# KiCad board hakea-epaper.kicad_pcb (continued)
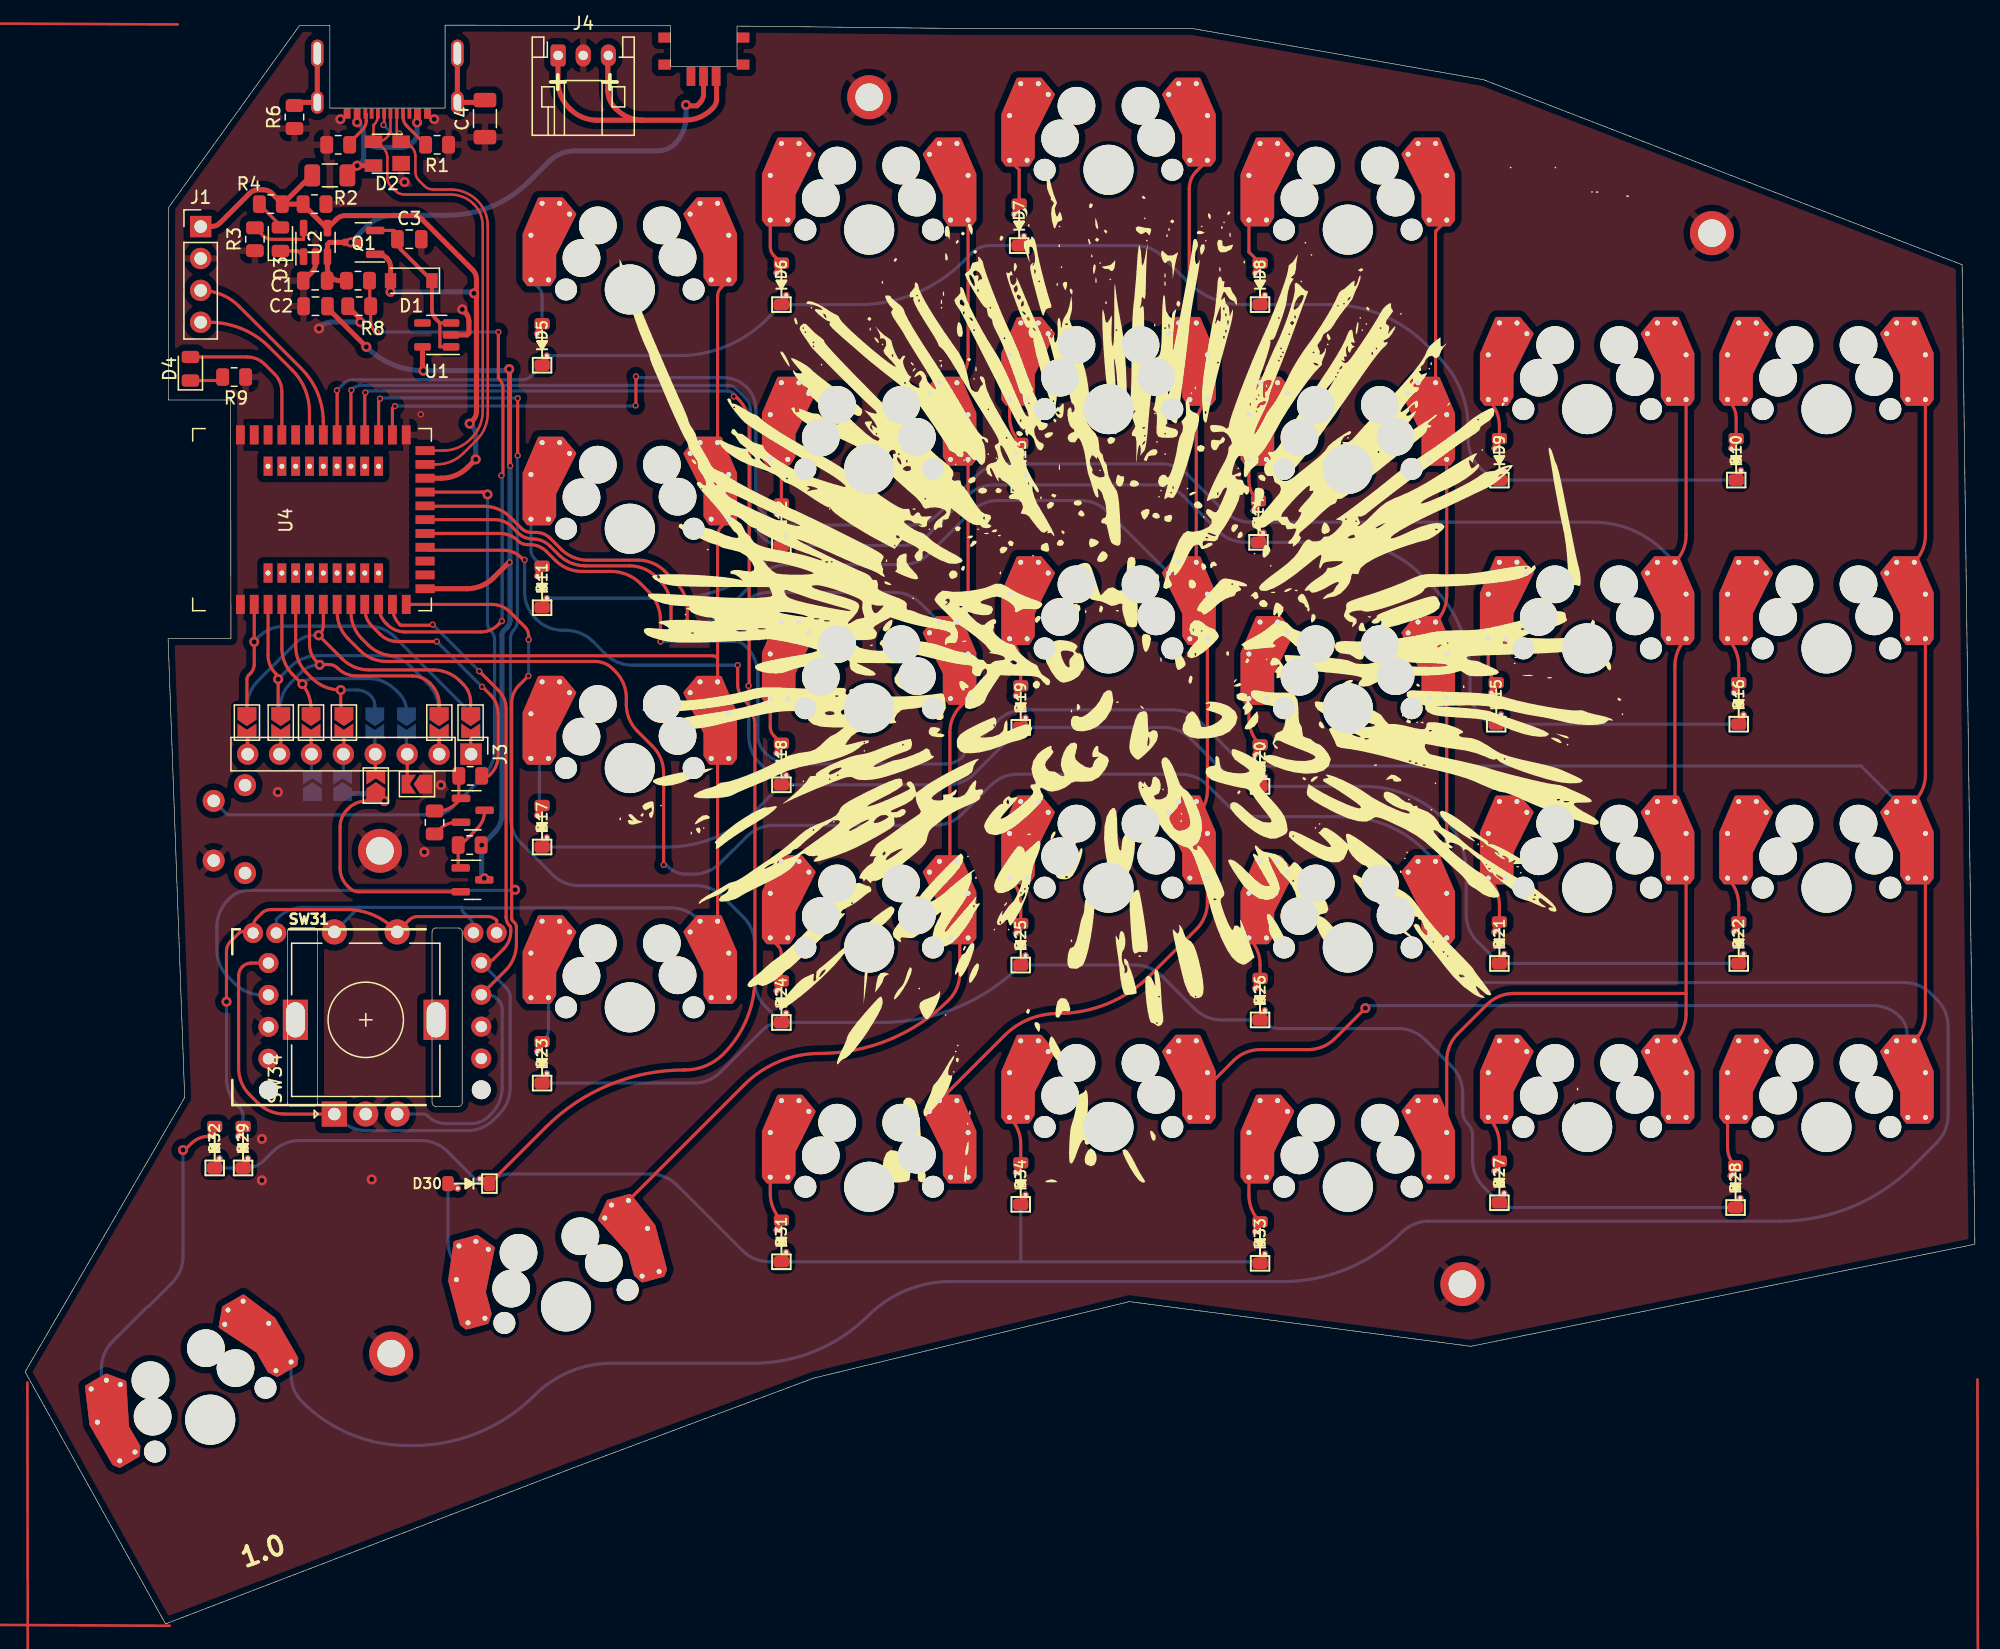
[diagram p0: board, top side]
## Nets
GND: C1.2 C2.2 C3.2 C4.1 D2.1 H2.1 H3.1 H4.1 H5.1 H6.1 J1.2 J2.A1 J4.2 JP6.1 JP11.1 R1.1 R2.2 R3.1 R5.1 R6.1 R8.1 R9.2 SW1.2 SW31.C SW32.C SW34.C U1.2 U2.2 U4.1 U4.25 U4.37
VBAT: C1.1 Q1.3 R7.2 SW33.2 U2.3
VBUS: D1.2 F1.1 J1.1 Q1.1 R2.1 R4.1 U2.4 U4.22
VDD_NRF: C2.1 Q3.3 R12.2 U1.5 U4.14
/CC1: J2.A5 R1.2
/CC2: J2.B5 R5.2
BUSY: JP1.1 JP16.1 U4.2
BVOLT: R7.1 R8.2 U4.11
COL0: SW2.2 SW8.2 SW14.2 SW20.2 SW31.S2 SW32.S2 SW34.S2 U4.9
COL1: SW3.2 SW9.2 SW15.2 SW21.2 SW26.2 U4.19
COL2: SW4.2 SW10.2 SW16.2 SW22.2 SW27.2 U4.20
COL3: SW5.2 SW11.2 SW17.2 SW23.2 SW28.2 U4.8
COL4: SW6.2 SW12.2 SW18.2 SW24.2 SW29.2 U4.26
COL5: SW7.2 SW13.2 SW19.2 SW25.2 SW30.2 U4.18
CS: JP2.1 JP15.1 U4.7
D+: D2.3 J2.A6 J2.B6 U4.24
D-: D2.2 J2.A7 J2.B7 U4.23
DC: JP4.1 JP13.1 U4.6
Earth: C4.2 J2.S1 J2.S2 J2.S3 J2.S4 R6.2
LED_1: D4.2 U4.34
MOSI: JP5.1 JP12.1 U4.4
PWR: JP8.1 JP9.1 Q3.2
PWR_EN: R10.1 U4.10
RAW: D2.4 F1.2 J2.A4
RESET: SW1.1 U4.21
ROT1A: SW31.A SW32.A SW34.A U4.12
ROT1B: SW31.B SW32.B SW34.B U4.13
ROW0: D5.1 D6.1 D7.1 D8.1 D9.1 D10.1 U4.30
ROW1: D11.1 D12.1 D13.1 D14.1 D15.1 D16.1 U4.29
ROW2: D17.1 D18.1 D19.1 D20.1 D21.1 D22.1 U4.28
ROW3: D23.1 D24.1 D25.1 D26.1 D27.1 D28.1 U4.27
ROW4: D29.1 D30.1 D31.1 D32.1 D33.1 D34.1 U4.17
RST: JP3.1 JP14.1 U4.3
SCLK: JP7.1 JP10.1 U4.5
SWC: J1.3 U4.31
SWD: J1.4 U4.32
Net-(C3-Pad1): C3.1 D1.1 Q1.2 U1.1 U1.3
Net-(D3-Pad1): D3.1 U2.1
Net-(D3-Pad2): D3.2 R4.2
Net-(D4-Pad1): D4.1 R9.1
Net-(D5-Pad2): D5.2 SW2.1
Net-(D6-Pad2): D6.2 SW3.1
Net-(D7-Pad2): D7.2 SW4.1
Net-(D8-Pad2): D8.2 SW5.1
Net-(D9-Pad2): D9.2 SW6.1
Net-(D10-Pad2): D10.2 SW7.1
Net-(D11-Pad2): D11.2 SW8.1
Net-(D12-Pad2): D12.2 SW9.1
Net-(D13-Pad2): D13.2 SW10.1
Net-(D14-Pad2): D14.2 SW11.1
Net-(D15-Pad2): D15.2 SW12.1
Net-(D16-Pad2): D16.2 SW13.1
Net-(D17-Pad2): D17.2 SW14.1
Net-(D18-Pad2): D18.2 SW15.1
Net-(D19-Pad2): D19.2 SW16.1
Net-(D20-Pad2): D20.2 SW17.1
Net-(D21-Pad2): D21.2 SW18.1
Net-(D22-Pad2): D22.2 SW19.1
Net-(D23-Pad2): D23.2 SW20.1
Net-(D24-Pad2): D24.2 SW21.1
Net-(D25-Pad2): D25.2 SW22.1
Net-(D26-Pad2): D26.2 SW23.1
Net-(D27-Pad2): D27.2 SW24.1
Net-(D28-Pad2): D28.2 SW25.1
Net-(D29-Pad2): D29.2 SW31.S1 SW32.S1 SW34.S1
Net-(D30-Pad2): D30.2 SW26.1
Net-(D31-Pad2): D31.2 SW27.1
Net-(D32-Pad2): D32.2 SW28.1
Net-(D33-Pad2): D33.2 SW29.1
Net-(D34-Pad2): D34.2 SW30.1
Net-(J3-Pad1): J3.1 JP1.2 JP2.2
Net-(J3-Pad2): J3.2 JP3.2 JP4.2
Net-(J3-Pad3): J3.3 JP5.2 JP6.2
Net-(J3-Pad4): J3.4 JP7.2 JP8.2
Net-(J3-Pad5): J3.5 JP9.2 JP10.2
Net-(J3-Pad6): J3.6 JP11.2 JP12.2
Net-(J3-Pad7): J3.7 JP13.2 JP14.2
Net-(J3-Pad8): J3.8 JP15.2 JP16.2
Net-(J4-Pad1): J4.1 J4.3 SW33.1
Net-(Q2-Pad1): Q2.1 R10.2 R11.2
Net-(Q2-Pad2): Q2.2 R11.1
Net-(Q2-Pad3): Q2.3 Q3.1 R12.1
Net-(R3-Pad2): R3.2 U2.5

Pads without a net: J2 A8 B8; SW1 3; SW31 D; SW32 D; SW33 3 4; SW34 MP; U1 4; U4 15 16 33 35 36 38 39 40 41 42 43 44 45 46 47 48 49 50 51 52 53 54 55

## Via types
v1: diameter 0.8, hole 0.4, Top to Bottom, 38 vias
v2: diameter 0.5, hole 0.3, Top to Bottom, 33 vias

## Routing (per net, layer and track width the routed paths; a pad name or vN(x,y) marks a point on that pad's centre or on a via; arc(x,y) is an arc through that point)
GND: length 11
  Top w0.4: v1(34.8,104.65) 35.03,104.41 arc(35.25,104.09) 35.32,103.71 35.32,102.76 35.18,102.62 U1.2 ; 22.15,106.93 22.82,107.61 arc(23.04,107.93) 23.11,108.31 23.11,108.88 ; 25.65,104.9 26.67,103.89 v1(26.67,103.63)
  Bottom w0.4: v1(26.67,103.63) 24.32,103.63 arc(23.93,103.56) 23.61,103.34 v1(23.39,103.12)
  vias: v1(18.85,38.61) v1(18.85,35.31) v1(20.12,66.22) v1(25.1,119.79) v1(27.58,35.38) v1(30.2,114.78) v1(31.78,61.44) v1(32.56,119.79) v1(33.1,66.78) v2(25.17,113.16) v2(31.5,96.29)
VBAT: length 40.9
  Top w0.4: SW33.2 54,121.8 arc(53.92,121.42) 53.71,121.09 53.47,120.85 52.68,120.85 v1(52.6,120.93) ; v1(25.92,109.98) 24.23,109.98 24.06,109.81 24.06,107.93 arc(24.36,107.23) 25.06,106.93 25.56,106.93
  Bottom w0.4: v1(52.6,120.93) 52.6,119.96 arc(52.38,118.81) 51.72,117.84 arc(51.09,117.42) 50.35,117.27 43.79,117.27 arc(42.64,117.04) 41.67,116.39 40.11,114.84 arc(37.12,112.84) 33.6,112.14 29.33,112.14 arc(28.18,111.91) 27.2,111.26 v1(25.92,109.98)
VBUS: length 59.8
  Top w0.4: v1(35.86,92.71) 35.24,92.09 arc(34.27,91.44) 33.12,91.21 U4.22 ; 20.5,113.03 19.64,113.88 arc(19.32,114.1) 18.94,114.17 18.57,114.17 arc(18.18,114.1) 17.86,113.88 15.51,111.53 arc(15.19,111.32) 14.81,111.24 J1.1 ; 20.5,113.03 22.78,115.32 ; 20.5,113.03 21.68,113.03 arc(22.07,112.95) 22.39,112.74 24.05,111.08 ; v1(35.38,95.55) 35.63,95.8 arc(35.85,96.13) 35.92,96.51 35.92,107.07 arc(35.85,107.46) 35.63,107.78 31.59,111.82 arc(31.26,112.04) 30.88,112.12 25.48,112.12 arc(25.1,112.04) 24.78,111.82 24.07,111.12 ; v1(29.08,106.05) D1.2 29.08,108.02 arc(29.01,108.4) 28.79,108.72 28.78,108.74 arc(28.45,108.96) 28.07,109.03
  Bottom w0.4: v1(35.38,95.55) 35.57,95.37 arc(35.79,95.04) 35.86,94.66 v1(35.86,92.71) ; v1(35.72,105.93) 35.72,105.93 35.84,106.05 35.84,106.05 v1(29.08,106.05)
VDD_NRF: length 67.3
  Top w0.4: U4.14 35.17,82.41 arc(36.32,82.64) 37.29,83.29 38.56,84.56 v2(38.56,84.51) ; v1(31.7,99.77) 31.6,99.87 31.6,99.9 31.63,99.93 U1.5 ; v1(38.53,99.9) 38.56,99.87 38.56,92.2 v2(38.61,92.2) ; 24.05,104.77 v1(27.16,101.67)
  Bottom w0.4: v1(36.55,59.36) 36.35,59.56 v1(36.35,62) 37.36,63.02 arc(37.8,63.66) 37.95,64.43 37.95,78.71 arc(37.99,78.9) 38.09,79.06 38.35,79.32 arc(38.53,79.59) 38.6,79.91 38.6,84.47 v2(38.56,84.51) 38.61,84.56 v2(38.61,92.2) ; v1(38.53,99.9) 38.4,99.77 v1(31.7,99.77) arc(29.26,100.26) 27.19,101.64 27.16,101.67 v1(27.16,101.67)
/CC1: length 2.9
  Top w0.25: R1.2 30.37,119.26 arc(30.16,119.58) 30.08,119.97
/CC2: length 2.8
  Top w0.25: J2.B5 27.15,120.15 27.15,119.66 arc(27.08,119.28) 26.86,118.95 25.83,117.92
BUSY: length 29.3
  Top w0.25: JP16.1 17.65,75.19 arc(17.69,75.38) 17.8,75.54 17.94,75.68 arc(18.16,76.01) 18.23,76.39 v1(18.23,78.18) U4.2
  Bottom w0.25: 35.48,72.52 29.45,78.55 arc(28.48,79.2) 27.33,79.43 20.67,79.43 arc(19.53,79.2) 18.55,78.55 18.23,78.23 v1(18.23,78.18)
BVOLT: length 48.4
  Top w0.25: v2(27.97,102.84) 27.94,102.82 27.8,102.96 arc(27.58,103.29) 27.5,103.67 R8.2 ; v2(37.95,79.83) 37.67,79.55 arc(37.02,79.12) 36.26,78.97 30.24,78.97 arc(29.48,79.12) 28.83,79.55 28.72,79.66 arc(28.29,80.31) 28.13,81.08 ; 38.03,91.42 38.03,98.39 arc(37.96,98.77) 37.74,99.1 37.67,99.17 v2(37.67,102.84) ; 27.43,106.93 27.43,105
  Bottom w0.25: v2(37.91,91.42) 37.94,91.42 38,91.36 37.97,91.34 37.97,79.86 v2(37.95,79.83) ; v2(27.97,102.84) v2(37.67,102.84)
COL0: length 114.2
  Top w0.25: 55.12,76.89 55.08,76.92 arc(54.92,77.03) 54.73,77.07 29.4,77.07 arc(28.26,77.3) 27.28,77.95 26.81,78.42 arc(26.16,79.39) 25.93,80.54 ; 55.12,76.89 55.12,86.64 arc(55.19,87.03) 55.41,87.35 SW8.2 ; 55.12,76.89 SW14.2 ; SW8.2 55.12,105.69 arc(55.19,106.08) 55.41,106.4 SW2.2 ; SW20.2 55.12,72.64
  Bottom w0.25: 34.75,57 51.42,57 arc(52.57,56.77) 53.54,56.12 ; 34.75,57 34.75,57.05 26.57,57.05 ; 34.75,57 arc(34.79,56.81) 34.89,56.65 35.39,56.15 arc(35.61,55.83) 35.68,55.45 ; 26.57,57.05 22.2,57.05 arc(21.05,56.82) 20.08,56.17 19.99,56.08 SW31.S2 ; 26.57,57.05 SW34.S2
COL1: length 127.6
  Top w0.25: SW3.2 75.06,100.94 arc(74.83,99.79) 74.18,98.82 ; SW21.2 74.39,51.79 arc(74.17,50.64) 73.52,49.67 arc(68.81,46.52) 63.25,45.42 arc(60,44.77) 57.25,42.93 SW26.2 ; v2(51.41,78.82) 51.41,80.93 arc(51.18,82.07) 50.53,83.05 50.22,83.36 arc(49.25,84.01) 48.1,84.23 44.59,84.23 arc(43.44,84.46) 42.47,85.11 41.77,85.81 arc(41.15,86.23) 40.42,86.37 arc(39.77,86.5) 39.22,86.87 38.77,87.32 arc(38.12,87.76) 37.35,87.91 U4.19 ; SW15.2 74.49,73.09 arc(73.84,72.12) 73.61,70.97 SW21.2 ; SW9.2 75.06,81.89 arc(74.83,80.74) 74.18,79.77
  Bottom w0.25: SW15.2 71.29,81.24 arc(70.31,81.89) 69.17,82.12 59.29,82.12 arc(58.14,81.89) 57.17,81.24 55.62,79.69 arc(54.65,79.04) 53.5,78.82 v2(51.41,78.82)
COL2: length 142
  Top w0.25: SW4.2 93.24,115.66 arc(92.81,115.01) 92.66,114.24 SW10.2 ; SW22.2 94.11,57.43 arc(93.88,56.28) 93.23,55.31 89.58,51.65 arc(86.18,49.39) 82.18,48.59 arc(79.89,48.14) 77.96,46.84 SW27.2 ; 31.87,88.98 36.51,88.98 arc(37.65,88.75) 38.63,88.1 39.53,87.2 arc(39.86,86.97) 40.26,86.89 40.68,86.89 arc(41.28,86.77) 41.78,86.44 42.66,85.56 arc(43.63,84.91) 44.78,84.68 48.8,84.68 arc(49.94,84.46) 50.92,83.8 51.83,82.9 arc(52.48,81.92) 52.7,80.77 v2(52.7,79.76) ; SW16.2 94.11,66.37 arc(93.88,65.22) 93.23,64.25 ; SW16.2 93.22,95.34 arc(93.45,96.49) 94.1,97.46
  Bottom w0.25: 91.03,83.66 86.14,88.55 arc(85.17,89.21) 84.02,89.43 77.44,89.43 arc(76.29,89.21) 75.32,88.55 71.97,85.21 arc(71,84.56) 69.85,84.33 60.66,84.33 arc(59.51,84.1) 58.54,83.45 55.64,80.56 arc(54.67,79.91) 53.52,79.68 52.78,79.68 v2(52.7,79.76)
COL3: length 342.2
  Top w0.25: SW11.2 112.27,110.87 SW5.2 ; v2(50.83,60.43) 50.83,67.74 arc(50.6,68.89) 49.95,69.87 48.73,71.08 arc(48.08,72.05) 47.85,73.2 47.85,73.71 arc(47.63,74.86) 46.97,75.83 46.77,76.04 arc(46.12,76.47) 45.36,76.62 28.76,76.62 arc(27.61,76.85) 26.64,77.5 25.71,78.43 arc(25.06,79.4) 24.83,80.55 ; SW11.2 113.16,81.89 arc(112.93,80.74) 112.28,79.77 ; SW17.2 113.16,62.84 arc(112.93,61.69) 112.28,60.72
  Bottom w0.25: v2(50.83,60.43) 51.03,60.43 51.18,60.28 arc(51.83,59.84) 52.59,59.69 53.21,59.69 arc(54.36,59.92) 55.34,60.57 57.47,62.7 arc(58.44,63.35) 59.59,63.58 72.44,63.58 arc(73.59,63.8) 74.56,64.45 76.87,66.76 arc(77.84,67.41) 78.99,67.64 92,67.64 arc(93.15,67.41) 94.12,66.76 95.74,65.14 arc(96.72,64.49) 97.86,64.26 104.92,64.26 arc(108.42,63.57) 111.39,61.58 SW23.2 ; SW23.2 113.16,54.07 arc(113.39,52.93) 114.04,51.95 114.06,51.93 arc(115.03,51.28) 116.18,51.05 149.58,51.05 arc(150.73,50.83) 151.7,50.18 152.18,49.7 arc(152.83,48.72) 153.06,47.58 153.06,40.46 arc(152.83,39.31) 152.18,38.34 150.33,36.49 arc(145.42,33.21) 139.63,32.05 111.71,32.05 arc(110.56,31.83) 109.59,31.18 arc(105.24,28.27) 100.12,27.25 73.67,27.25 arc(70.12,26.55) 67.11,24.54 arc(62.91,21.74) 57.97,20.75 46.69,20.75 arc(43.38,20.09) 40.57,18.21 arc(36.12,15.24) 30.87,14.2 30.45,14.2 arc(25.9,15.1) 22.05,17.68 arc(21.4,18.65) 21.17,19.8 SW28.2
COL4: length 187.6
  Top w0.25: SW29.2 113.16,44.86 arc(113.39,46.01) 114.04,46.98 116.37,49.31 arc(117.34,49.96) 118.49,50.19 132.21,50.19 ; 132.21,50.19 132.21,48.55 arc(131.98,47.4) 131.33,46.43 ; 132.21,50.19 SW18.2 ; v2(48.59,97) 48.62,97.03 v2(48.62,99.31) ; U4.26 29.23,96.77 29.36,96.9 29.39,96.9 v2(29.44,96.95) ; SW18.2 131.32,76.29 arc(131.55,77.44) 132.2,78.41 ; SW6.2 132.21,86.65 arc(131.98,85.5) 131.33,84.53
  Bottom w0.25: v2(48.59,97) 48.54,96.95 v2(29.44,96.95) ; v2(48.62,99.31) 48.62,99.24 48.69,99.16 48.74,99.21 55.59,99.21 arc(56.59,99.01) 57.43,98.45 arc(57.97,97.64) 58.16,96.69 58.16,89.86 arc(58.31,89.1) 58.74,88.45 58.84,88.36 arc(59.81,87.71) 60.96,87.48 70.56,87.48 arc(71.71,87.71) 72.68,88.36 75.8,91.48 arc(76.78,92.13) 77.93,92.35 90.43,92.35 arc(91.57,92.13) 92.55,91.48 95.44,88.58 arc(96.41,87.93) 97.56,87.71 124.85,87.71 arc(127.88,87.1) 130.45,85.39 SW12.2
COL5: length 236.3
  Top w0.25: SW30.2 96.19,44.84 arc(97.16,45.49) 98.31,45.72 102.14,45.72 arc(103.28,45.95) 104.26,46.6 v1(106.68,49.02) ; SW7.2 151.26,86.65 arc(151.03,85.5) 150.38,84.53 ; SW19.2 151.26,48.55 arc(151.03,47.4) 150.38,46.43 ; U4.18 37.82,86.81 arc(38.58,86.66) 39.23,86.23 arc(39.56,86) 39.96,85.92 40.18,85.92 arc(40.89,85.78) 41.5,85.38 42.21,84.66 arc(43.18,84.01) 44.33,83.78 46.66,83.78 arc(47.91,83.54) 48.98,82.83 49.64,82.16 arc(50.33,81.13) 50.57,79.91 v2(50.57,78.21) ; SW13.2 151.26,67.6 arc(151.03,66.45) 150.38,65.48
  Bottom w0.25: v1(106.68,49.02) 106.58,49.12 106.58,49.23 147.09,49.23 arc(148.24,49) 149.21,48.35 149.22,48.34 arc(149.66,47.69) 149.81,46.93 SW25.2 ; v2(50.57,78.21) 56.56,78.21 arc(56.94,78.13) 57.27,77.91 57.44,77.74 arc(58.09,76.77) 58.32,75.62 58.32,70.77 arc(58.47,70.01) 58.9,69.36 58.93,69.33 arc(59.9,68.68) 61.05,68.45 73.21,68.45 arc(73.98,68.61) 74.63,69.04 74.68,69.09 74.68,69.16 77.4,71.89 arc(78.38,72.54) 79.53,72.77 91.34,72.77 arc(92.49,72.54) 93.46,71.89 96.17,69.18 arc(97.15,68.53) 98.3,68.3 146.14,68.3 148.97,65.47
CS: length 27
  Top w0.25: U4.7 23.73,79.48 arc(23.66,79.1) 23.44,78.78 v1(23.37,78.7) 25.25,76.82 arc(26.22,76.17) 27.37,75.95 32.49,75.95 arc(33.64,75.72) 34.61,75.07 34.87,74.8 arc(35.31,74.16) 35.46,73.39 JP2.1
  Bottom w0.25: v1(23.37,78.7) 22.99,78.7 arc(22.23,78.55) 21.58,78.12 18.53,75.07 arc(17.88,74.1) 17.65,72.95 JP15.1
D+: length 39
  Top w0.2: 28.01,117.99 28.54,117.46 arc(28.75,117.14) 28.83,116.76 28.83,115.15 arc(28.91,114.76) 29.12,114.44 29.48,114.08 arc(29.8,113.87) 30.18,113.79 33.87,113.79 arc(34.87,113.59) 35.72,113.03 35.72,113.02 arc(36.24,112.24) 36.42,111.33 36.42,96.54 arc(36.2,95.4) 35.54,94.42 35.41,94.29 arc(34.44,93.64) 33.29,93.41 U4.24 ; D2.3 27.73,119.31 27.79,119.37 arc(28,119.69) 28.08,120.08 ; J2.A6 29.08,118.79 28.93,118.64 28.93,118.49 28.73,118.29 arc(28.4,118.07) 28.02,117.99
D-: length 38
  Top w0.2: U4.23 32.75,92.31 arc(33.9,92.54) 34.88,93.19 35.94,94.26 arc(36.59,95.23) 36.82,96.38 36.82,111.32 arc(36.61,112.4) 36,113.31 arc(35.02,113.96) 33.87,114.19 32.48,114.19 arc(32.09,114.27) 31.77,114.48 31.36,114.9 arc(31.14,115.22) 31.06,115.6 31.06,116.86 arc(30.99,117.24) 30.77,117.56 30.34,117.99 ; v2(28.52,119.33) 28.52,119.51 28.58,119.56 J2.A7 ; v2(29.79,118.64) 29.79,118.13 ; J2.B7 29.58,118.34
  Bottom w0.2: v2(28.52,119.33) 29.12,118.73 arc(29.44,118.52) 29.83,118.44 29.85,118.44 29.85,118.59 v2(29.79,118.64)
DC: length 22
  Top w0.25: JP4.1 32.97,73.16 arc(32.79,74.07) 32.27,74.84 32.22,74.89 arc(31.59,75.32) 30.84,75.46 26.38,75.46 arc(25.57,75.62) 24.88,76.08 arc(24.56,76.3) 24.17,76.38 23.47,76.38 v1(23.44,76.35) 23.22,76.58 arc(22.79,77.23) 22.63,77.99 U4.6
  Bottom w0.25: v1(23.44,76.35) 23.4,76.35 arc(22.64,76.2) 21.99,75.77 21.15,74.93 arc(20.5,73.96) 20.27,72.81
Earth: length 11.5
  Top w0.4: 36.49,121.13 J2.S4 J2.S2 ; 21.67,121.13 J2.S3 J2.S1
LED_1: length 12.2
  Top w0.25: U4.34 20.43,98.09 arc(20.28,98.86) 19.85,99.51 19.08,100.28 arc(18.43,100.71) 17.67,100.86 D4.2
MOSI: length 19.1
  Top w0.25: U4.4 20.43,77.68 arc(20.66,76.54) 21.31,75.56 21.88,75 arc(22.53,74.02) 22.76,72.87 JP12.1
  Bottom w0.25: v1(22.07,74.83) 22.21,74.97 arc(22.54,75.18) 22.92,75.26 27.33,75.26 arc(28.48,75.03) 29.45,74.38 29.77,74.07 arc(30.2,73.42) 30.35,72.65
PWR: length 23.2
  Top w0.25: Q3.2 26.54,58.28 arc(26.15,58.36) 25.83,58.58 25.66,58.75 arc(25.22,59.4) 25.07,60.16 25.07,63.43 arc(25.22,64.2) 25.66,64.85 25.73,64.92 arc(26.38,65.35) 27.14,65.51 v1(28.6,65.51)
  Top w0.4: 28.59,65.46 27.91,66.13
  Bottom w0.4: v1(28.6,65.51) 28.59,65.52 arc(27.94,65.95) 27.18,66.1 25.27,66.1
PWR_EN: length 20.6
  Top w0.25: v2(32.77,78.21) 29.66,78.21 arc(28.89,78.36) 28.24,78.79 27.62,79.42 arc(27.19,80.06) 27.03,80.83 ; v2(36.37,74.6) 36.4,74.6 37.06,73.94 arc(37.49,73.29) 37.64,72.53 37.64,69.08 arc(37.49,68.31) 37.06,67.66 36.91,67.51 R10.1
  Bottom w0.25: v2(36.37,74.6) v2(32.77,78.21)
RAW: length 13.7
  Top w0.4: D2.4 v1(26.43,116.09) F1.2 ; v1(31.2,119.53) 31.23,119.56 J2.A4 ; J2.A4 v1(26.43,119.54)
  Bottom w0.4: v1(31.2,119.53) 31.2,118.71 arc(31.12,118.33) 30.9,118 30.75,117.84 arc(30.42,117.63) 30.04,117.55 28.07,117.55 arc(27.69,117.63) 27.37,117.84 26.95,118.26 ; v1(26.43,116.09) 26.47,116.05 26.54,116.05 26.66,116.17 arc(26.87,116.49) 26.95,116.87 26.95,118.61 arc(26.87,118.99) 26.66,119.32 v1(26.43,119.54)
RESET: length 51
  Top w0.25: U4.21 36.4,90.11 arc(36.6,90.07) 36.76,89.96 v1(36.8,89.92)
  Bottom w0.25: SW1.1 16.11,64.41 32.6,64.41 arc(33.36,64.57) 34.01,65 36.48,67.47 arc(37.14,68.45) 37.36,69.59 37.36,78.35 arc(37.29,78.73) 37.07,79.06 arc(36.87,79.35) 36.8,79.7 v1(36.8,89.92)
ROT1A: length 81
  Top w0.25: SW34.A 20.65,40.59 arc(19.5,40.82) 18.53,41.47 17.87,42.12 arc(17.22,43.1) 16.99,44.24 16.99,51.6 arc(17.07,51.99) 17.29,52.31 17.29,52.32 arc(17.62,52.53) 18,52.61 SW31.A ; v2(32.44,79.55) 32.39,79.5 29.88,79.5 29.82,79.56 arc(29.39,80.21) 29.23,80.98 ; v2(36.14,75.84) 37.69,74.3 arc(38.13,73.65) 38.28,72.88 38.28,56.28 arc(38.35,55.89) 38.57,55.57 38.59,55.55 arc(38.64,55.48) 38.66,55.39 38.66,55.13 arc(38.5,54.37) 38.07,53.72 37.28,52.92 arc(36.95,52.7) 36.57,52.63
  Bottom w0.25: v2(36.14,75.84) v2(32.44,79.55) ; SW32.A 38.32,50.62 arc(38.53,50.3) 38.61,49.91 38.61,42.7 arc(38.38,41.55) 37.73,40.57 37.3,40.14 arc(36.33,39.49) 35.18,39.26 27.18,39.26 arc(26.03,39.49) 25.06,40.14
ROT1B: length 92.2
  Top w0.25: U4.13 37.16,81.16 arc(37.93,81.01) 38.58,80.57 39.79,79.36 arc(40.01,79.04) 40.08,78.66 v2(40.08,78.36) ; SW32.B 38.23,52.01 arc(38.88,52.98) 39.11,54.13 39.11,55.46 arc(39.07,55.65) 38.95,55.82 38.8,55.98 arc(38.75,56.06) 38.73,56.15 38.73,73.31 arc(38.88,74.07) 39.31,74.72 v2(40.06,75.46)
  Bottom w0.25: v1(39,58.45) 38.95,58.39 17.74,58.39 arc(16.98,58.24) 16.33,57.81 16.14,57.62 arc(15.49,56.65) 15.27,55.5 15.27,53.64 arc(15.49,52.49) 16.14,51.52 16.72,50.95 arc(17.69,50.3) 18.84,50.07 ; v2(40.08,78.36) 40.08,75.51 ; SW34.B 31.7,40.59 arc(31.89,40.55) 32.05,40.44 32.08,40.41 arc(32.73,39.98) 33.49,39.83 35.49,39.83 arc(36.26,39.98) 36.91,40.41 37.09,40.6 arc(37.74,41.57) 37.97,42.72 37.97,48.94 arc(37.9,49.32) 37.68,49.65 37.53,49.8 arc(37.2,50.01) 36.82,50.09
ROW0: length 127.4
  Top w0.25: U4.30 24.83,98.18 v2(24.82,98.2)
  Bottom w0.25: D5.1 52.03,100.97 arc(55.82,101.72) 59.04,103.87 D6.1 66.38,105.03 arc(70.88,105.92) 74.69,108.47 75.36,109.14 arc(76.01,109.58) 76.77,109.73 D7.1 ; v2(24.82,98.2) 25.37,98.75 arc(25.7,98.97) 26.08,99.05 39.58,99.05 arc(39.96,99.12) 40.28,99.34 D5.1 ; D10.1 118.03,91.06 arc(116.88,91.29) 115.91,91.94 115.74,92.11 arc(115.09,93.08) 114.86,94.23 114.86,95.24 arc(114.26,98.25) 112.55,100.81 111.51,101.85 arc(107.99,104.2) 103.83,105.03 D8.1 96.87,105.03 arc(94.55,105.49) 92.59,106.8 90.54,108.85 arc(89.57,109.5) 88.42,109.73 D7.1
ROW1: length 156.8
  Top w0.25: U4.29 25.93,98.2 v2(25.96,98.22)
  Bottom w0.25: D16.1 117.1,71.63 ; v2(25.96,98.22) 26.04,98.3 arc(26.37,98.52) 26.75,98.6 55.93,98.6 arc(56.31,98.52) 56.64,98.3 57.42,97.52 arc(57.63,97.2) 57.71,96.82 57.71,88.75 arc(57.94,87.6) 58.59,86.62 58.77,86.44 arc(59.42,86) 60.19,85.85 ; D11.1 51.63,81.66 arc(55.67,82.46) 59.1,84.75 D12.1 69.8,85.85 arc(70.95,86.08) 71.92,86.73 74.99,89.8 arc(75.96,90.45) 77.11,90.68 D13.1 90.04,90.68 arc(91.19,90.45) 92.17,89.8 94.98,86.98 arc(95.95,86.33) 97.1,86.11 D14.1 104.98,86.11 arc(108.24,85.46) 111.01,83.61 112.06,82.55 arc(114.25,79.29) 115.01,75.44 115.01,74.39 arc(115.24,73.25) 115.89,72.27 116.24,71.92 arc(116.57,71.7) 116.95,71.63
ROW2: length 175
  Top w0.25: v2(27.08,98.02) 27.03,97.98 U4.28 ; v2(56.41,97.71) 56.49,97.79 56.75,97.53 arc(57.4,96.55) 57.63,95.4 57.63,74.73 v2(57.58,74.68)
  Bottom w0.25: v2(57.58,74.68) 57.61,74.65 57.61,70.64 arc(57.84,69.49) 58.49,68.51 D18.1 ; D18.1 58.18,64.78 arc(54.93,62.61) 51.1,61.85 D17.1 ; D18.1 73.43,66.8 arc(74.58,67.03) 75.55,67.68 D19.1 90.63,71.37 arc(91.78,71.15) 92.75,70.5 95.69,67.55 arc(96.66,66.9) 97.81,66.68 D20.1 106.55,66.68 arc(110.05,65.98) 113.01,64 arc(114.27,62.12) 114.71,59.91 114.71,56.46 arc(114.93,55.31) 115.59,54.34 D21.1 D22.1 ; v2(56.41,97.71) 56.41,97.89 56.3,98 arc(56.14,98.11) 55.95,98.15 27.13,98.15 27.08,98.09 v2(27.08,98.02)
ROW3: length 187.9
  Top w0.25: v2(39.21,97.57) 39.21,93.03 39.19,93.01 ; v2(28.24,97.54) 28.13,97.43 U4.27
  Bottom w0.25: D26.1 95.22,48.08 arc(94.07,48.31) 93.1,48.96 90.49,51.57 arc(89.52,52.22) 88.37,52.45 D25.1 arc(74.18,49.07) 68.21,47.88 D24.1 58.94,49.13 arc(58.29,50.11) 58.06,51.26 58.06,54.13 arc(57.84,55.28) 57.19,56.25 55.54,57.9 arc(54.57,58.55) 53.42,58.78 44.09,58.78 arc(42.94,59) 41.97,59.65 39.51,62.11 arc(38.86,63.08) 38.63,64.23 38.63,78.5 arc(38.7,78.83) 38.89,79.11 38.9,79.13 arc(39.11,79.44) 39.18,79.8 39.18,92.99 v2(39.21,93.01) ; D23.1 53.24,43.05 arc(54.39,43.28) 55.36,43.93 58.72,47.29 arc(59.37,47.73) 60.14,47.88 ; D28.1 118.14,33.15 arc(117.76,33.22) 117.44,33.44 ; v2(28.24,97.54) 28.31,97.6 39.13,97.6 39.16,97.57 v2(39.21,97.57) ; D27.1 116.09,34.78 arc(115.44,35.76) 115.21,36.9 115.21,38.88 arc(115.11,39.4) 114.82,39.84 arc(114.53,40.28) 114.43,40.78 114.43,42.27 arc(114.2,43.42) 113.55,44.39 111.42,46.52 arc(110.45,47.17) 109.3,47.4 99.81,47.4 arc(99.05,47.55) 98.4,47.98
ROW4: length 176.3
  Top w0.25: v2(56.72,76.33) 56.72,74.79 arc(56.85,74.14) 57.21,73.6 arc(57.86,72.63) 58.09,71.48 58.09,51.44 arc(57.44,48.15) 55.57,45.36 arc(54.17,44.43) 52.52,44.1 52.45,44.1 arc(46.49,42.91) 41.45,39.54 D30.1 ; v2(39.76,84.71) 39.67,84.71 39.5,84.89 arc(38.85,85.32) 38.08,85.47 32.28,85.47 arc(32.09,85.51) 31.92,85.62
  Bottom w0.25: 79.27,28.83 98.17,28.83 ; 79.27,28.83 D31.1 59.23,28.83 arc(58.08,29.06) 57.11,29.71 51.88,34.94 arc(50.91,35.59) 49.76,35.81 38.55,35.81 arc(37.78,35.66) 37.13,35.23 ; 79.27,28.83 79.25,28.85 D34.1 ; D30.1 36.39,35.05 arc(36.2,35.09) 36.03,35.2 33.63,37.6 arc(32.66,38.25) 31.51,38.48 21.84,38.48 arc(20.69,38.25) 19.72,37.6 19,36.88 arc(18.35,36.45) 17.59,36.3 ; D32.1 D29.1 ; v2(56.72,76.33) 48.32,76.33 arc(47.17,76.56) 46.2,77.21 45.19,78.22 arc(44.21,78.87) 43.07,79.1 42.82,79.1 arc(41.67,79.33) 40.69,79.98 40.63,80.04 arc(39.98,81.01) 39.76,82.16 v2(39.76,84.71)
RST: length 24.6
  Top w0.25: U4.3 19.33,77.1 arc(19.49,76.33) 19.92,75.69 20,75.61 arc(20.1,75.45) 20.14,75.26 v1(20.14,75.21) 20.14,72.89 arc(20.18,72.7) 20.29,72.54
  Bottom w0.25: v1(20.14,75.21) 21.13,76.2 arc(22.1,76.85) 23.25,77.08 28.59,77.08 arc(29.74,76.85) 30.71,76.2 32.04,74.87 arc(32.69,73.9) 32.92,72.75
SCLK: length 14.7
  Top w0.25: U4.5 21.53,77.83 arc(21.76,76.68) 22.41,75.71 22.82,75.3 arc(23.88,74.59) v1(25.12,74.35) 25.12,73.15 25.15,73.13 25.15,72.92 arc(25.18,72.72) 25.29,72.56
  Bottom w0.25: v1(25.12,74.35) 26.4,74.35 arc(27,74.23) 27.51,73.89 arc(27.75,73.52) 27.84,73.09 JP7.1
SWC: length 16.2
  Top w0.25: U4.31 23.73,95.7 23.73,95.71 arc(23.28,98) 21.98,99.94 17.02,104.9 arc(15.62,105.83) J1.3
SWD: length 13.4
  Top w0.25: U4.32 22.63,95.7 22.63,95.71 22.63,96.5 arc(22.27,98.3) 21.25,99.83 19.43,101.65 arc(17.25,103.11) 14.67,103.62
Net-(C3-Pad1): length 13.2
  Top w0.25: 27.92,110.93 29.35,110.93 29.54,110.74 ; 33.87,103.57 33.01,103.57 33.01,101.67 33.87,101.67
  Top w0.3: 33.01,103.57 32.68,103.9 arc(32.46,104.22) 32.38,104.61 D1.1 29.92,109.39 arc(29.71,109.72) 29.63,110.1
Net-(D3-Pad1): length 2
  Top w0.25: D3.1 21.71,109.3 U2.1
Net-(D3-Pad2): length 2.4
  Top w0.25: 18.62,113.03 20.32,111.33
Net-(D4-Pad1): length 2.3
  Top w0.25: D4.1 15.45,98.99
Net-(D5-Pad2): length 3.8
  Bottom w0.25: SW2.1 40.86,106.4 arc(41.07,106.08) 41.15,105.69 D5.2
Net-(D6-Pad2): length 3.8
  Top w0.25: SW3.1 59.31,109.63 arc(59.39,109.25) 59.6,108.93 D6.2
Net-(D7-Pad2): length 3.8
  Top w0.25: D7.2 79.12,115.76 SW4.1
Net-(D8-Pad2): length 3.8
  Top w0.25: D8.2 97.41,109.22 SW5.1
Net-(D9-Pad2): length 3.3
  Top w0.25: D9.2 117.35,95.34 arc(117.12,96.49) 116.47,97.46
Net-(D10-Pad2): length 3.2
  Top w0.25: D10.2 136.19,95.96 arc(136.04,96.72) 135.61,97.37
Net-(D11-Pad2): length 4.1
  Bottom w0.25: SW8.1 40.26,85.5 arc(40.34,85.12) 40.55,84.8 D11.2
Net-(D12-Pad2): length 3.9
  Top w0.25: SW9.1 59.91,92.11 arc(60.12,91.79) 60.2,91.41 D12.2
Net-(D13-Pad2): length 3.7
  Top w0.25: SW10.1 78.36,96.11 arc(78.59,94.96) 79.24,93.99
Net-(D14-Pad2): length 3.3
  Top w0.25: SW11.1 97.41,91 arc(97.56,90.23) 97.99,89.58
Net-(D15-Pad2): length 3.6
  Top w0.25: SW12.1 116.46,76.39 arc(116.61,75.63) 117.04,74.98
Net-(D16-Pad2): length 3.7
  Top w0.25: D16.2 136.4,76.29 arc(136.17,77.44) 135.52,78.41
Net-(D17-Pad2): length 5.3
  Bottom w0.25: SW14.1 40.93,65.37
Net-(D18-Pad2): length 3.9
  Top w0.25: D18.2 59.6,70.7 arc(59.39,71.02) 59.31,71.41 SW15.1
Net-(D19-Pad2): length 4
  Top w0.25: D19.2 79.25,76.29 arc(79.02,77.44) 78.37,78.41
Net-(D20-Pad2): length 3.9
  Top w0.25: SW17.1 97.41,72.11 arc(97.64,70.96) 98.29,69.99
Net-(D21-Pad2): length 3.7
  Top w0.25: D21.2 117.35,57.24 arc(117.12,58.39) 116.47,59.36
Net-(D22-Pad2): length 3.7
  Top w0.25: D22.2 136.4,57.24 arc(136.17,58.39) 135.52,59.36
Net-(D23-Pad2): length 3.4
  Bottom w0.25: SW20.1 41.66,47.28 arc(41.58,46.89) 41.36,46.57
Net-(D24-Pad2): length 3.8
  Top w0.25: D24.2 60.2,53.31 arc(60.12,53.69) 59.91,54.01 SW21.1
Net-(D25-Pad2): length 3.8
  Top w0.25: D25.2 79.25,57.24 arc(79.02,58.39) 78.37,59.36
Net-(D26-Pad2): length 3.5
  Top w0.25: D26.2 98.3,52.48 arc(98.07,53.63) 97.42,54.6
Net-(D27-Pad2): length 3.7
  Top w0.25: D27.2 117.35,38.19 arc(117.12,39.34) 116.47,40.31
Net-(D28-Pad2): length 4
  Top w0.25: SW25.1 135.51,37.91 arc(135.66,37.15) 136.09,36.5
Net-(D29-Pad2): length 39
  Top w0.25: SW34.S1 30.54,56.02 arc(30.87,56.24) 31.25,56.31 36.82,56.31 arc(37.2,56.24) 37.53,56.02 37.53,56.02 SW32.S1 ; v1(16.03,49.53) 16.03,53.59 arc(16.1,53.97) 16.32,54.29 17,54.97 arc(17.16,55.08) 17.35,55.12 17.39,55.12 17.82,54.68 ; 18.14,55.47 arc(18.22,55.85) 18.43,56.18 18.83,56.58 arc(19.16,56.79) 19.54,56.87 25.59,56.87 arc(27.66,56.46) 29.42,55.28
  Bottom w0.25: v1(16.03,49.53) 16.03,43.41 arc(16.26,42.26) 16.91,41.29 17.06,41.14 arc(17.27,40.81) 17.35,40.43 D29.2
Net-(D30-Pad2): length 7
  Bottom w0.25: D30.2 33.66,30.45 arc(33.88,29.3) 34.53,28.33
Net-(D31-Pad2): length 3.7
  Top w0.25: SW27.1 59.31,34.26 arc(59.54,33.11) 60.19,32.14
Net-(D32-Pad2): length 25.7
  Top w0.25: v1(12.57,37.73) 12.57,37.6 12.57,37.59 13.21,38.23 arc(13.86,38.67) 14.63,38.82
  Bottom w0.25: v1(12.57,37.73) 12.57,29.25 arc(12.34,28.1) 11.69,27.13 9.83,25.27 9.75,25.27 6.95,22.47 arc(6.3,21.5) 6.07,20.35 6.07,17.14
Net-(D33-Pad2): length 3.8
  Top w0.25: SW29.1 97.41,34.14 arc(97.64,32.99) 98.29,32.01
Net-(D34-Pad2): length 3.8
  Top w0.25: D34.2 79.25,38.19 arc(79.02,39.34) 78.37,40.31
Net-(J3-Pad1): length 3.5
  Top w0.25: JP2.2 35.46,69.28
  Bottom w0.25: JP1.2 35.48,69.25
Net-(J3-Pad2): length 3.5
  Top w0.25: JP4.2 32.97,69.26
  Bottom w0.25: JP3.2 32.92,69.28
Net-(J3-Pad3): length 4.1
  Top w0.25: J3.3 30.41,66.9
  Bottom w0.25: JP5.2 30.35,69.3
Net-(J3-Pad4): length 3.4
  Top w0.25: 27.87,67.62 J3.4
  Bottom w0.25: JP7.2 27.84,69.28
Net-(J3-Pad5): length 3.4
  Top w0.25: JP10.2 25.37,69.28
  Bottom w0.25: 25.33,67.61 J3.5
Net-(J3-Pad6): length 3.5
  Top w0.25: JP12.2 22.76,69.28
  Bottom w0.25: 22.79,67.53 J3.6
Net-(J3-Pad7): length 3.4
  Top w0.25: JP14.2 20.35,69.33
  Bottom w0.25: JP13.2 20.35,69.33
Net-(J3-Pad8): length 3.4
  Top w0.25: J3.8 17.71,70.97
  Bottom w0.25: JP15.2 17.65,69.3
Net-(J4-Pad1): length 25.7
  Top w0.4: 46.38,124.76 46.38,122.09 arc(46.53,121.32) 46.97,120.67 47.05,120.59 arc(48.02,119.94) 49.17,119.71 ; 49.17,119.71 45.51,119.71 arc(44.37,119.94) 43.39,120.59 43.3,120.69 arc(42.65,121.66) 42.42,122.81 42.42,124.86 ; 49.17,119.71 52.53,119.71 arc(53.68,119.94) 54.65,120.59 54.75,120.69 arc(54.97,121.01) 55.04,121.39 55.04,123.15
Net-(Q2-Pad1): length 4
  Top w0.25: R10.2 34.52,65.9 Q2.1 34.28,65.3 arc(33.63,64.87) 32.87,64.72
Net-(Q2-Pad2): length 1.6
  Top w0.25: 34.37,63.82 arc(33.61,63.67) 32.96,63.23
Net-(Q2-Pad3): length 5.3
  Top w0.25: R12.1 34.47,60.38 Q3.1 ; 34.67,62 35.99,63.32 arc(36.42,63.97) 36.57,64.73
Net-(R3-Pad2): length 5.1
  Top w0.25: 22.16,111.08 22.16,110.23 19.65,110.23 arc(19.27,110.3) 18.94,110.52 18.29,111.17

## Copper pours and planes (outline as drawn; the poured copper is in the pictures)
GND on Top, Bottom: 155.19,29.97 12.52,-8.08 5,1.17 -11.23,17.22 11.68,123.19 12.95,131.83 154.69,133.35

## Text on the board
B.Mask: Hakea
B.Silkscreen: +  + | ${REVISION}
F.Mask: Hakea
F.Silkscreen: +  + | ${REVISION}
